# KiCad board mainboard.stretch_bkup.kicad_pcb (continued)
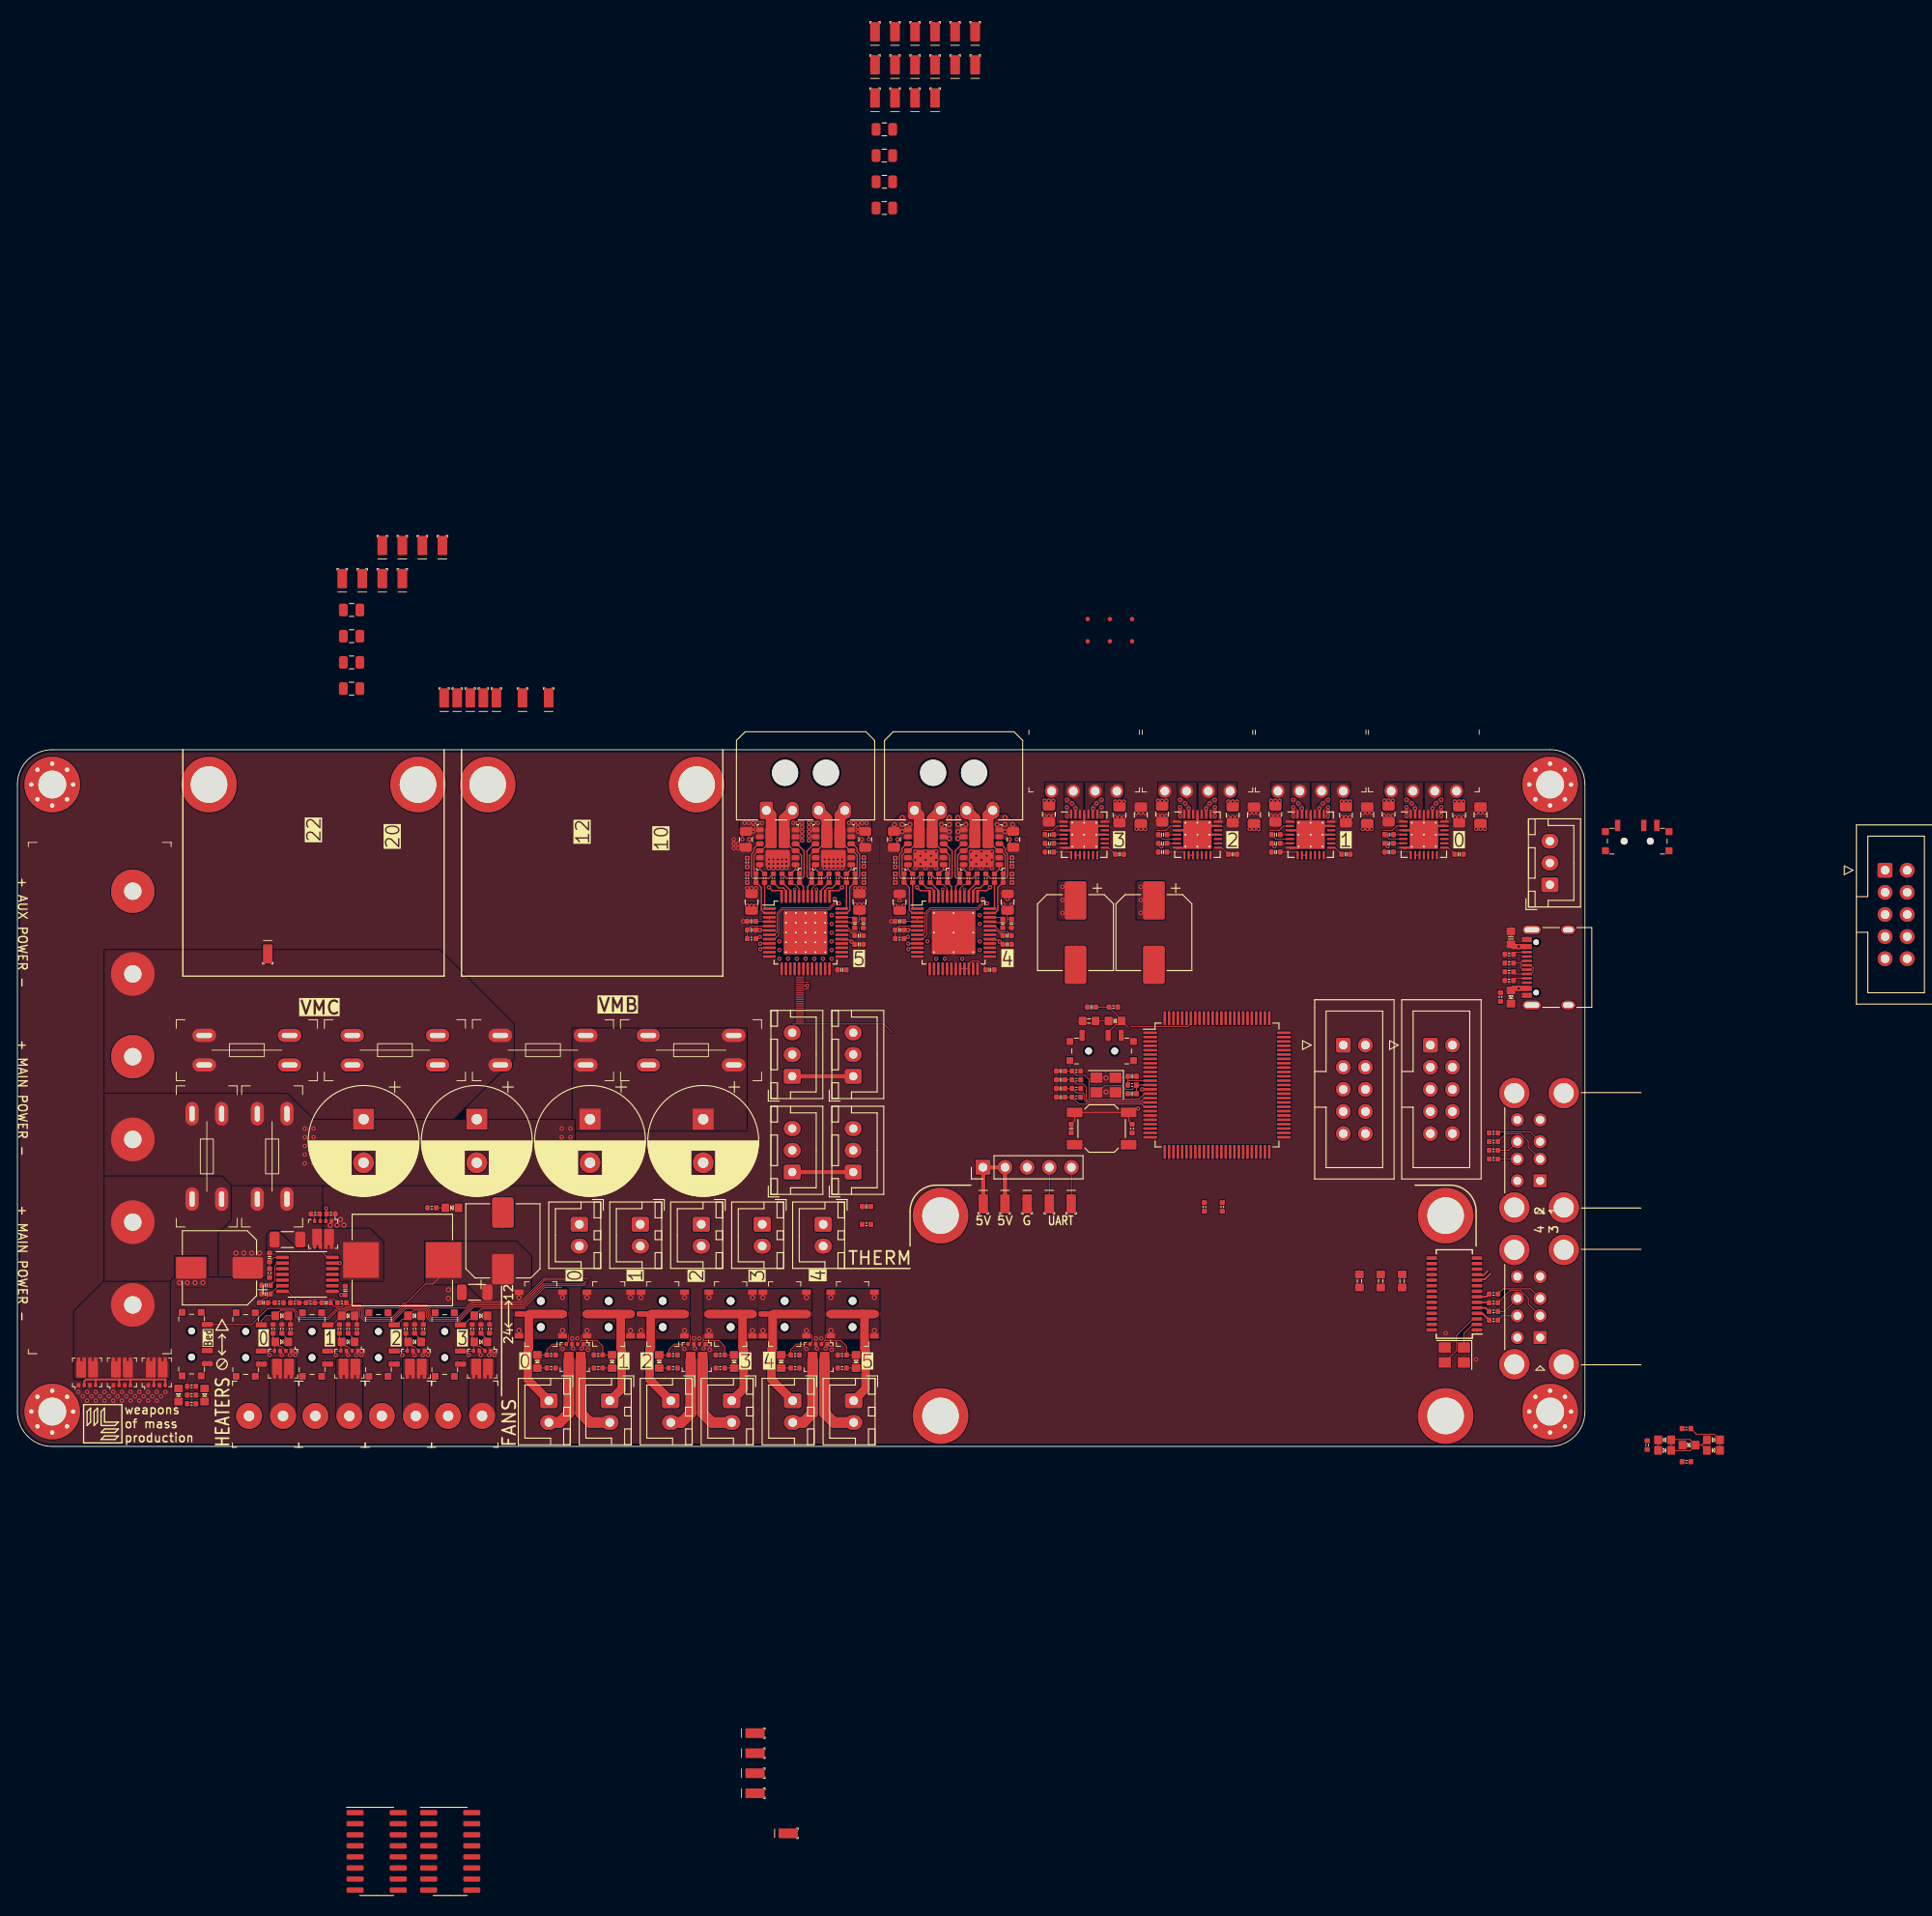
[diagram p0: board, top side]
## Nets (continued)
/Motor 1 (TMC2208)/BRB: R14.2 U3.27
/Motor 1 (TMC2208)/Clk: U3.13
/Motor 1 (TMC2208)/Diag: U3.11
/Motor 1 (TMC2208)/Dir: U3.19
/Motor 1 (TMC2208)/Index: U3.12
/Motor 1 (TMC2208)/Step: U3.16
/Motor 1 (TMC2208)/UART: U3.14
/Motor 1 (TMC2208)/VRef: U3.17
/Motor 2 (TMC2208)/A1: M3.2 U4.24
/Motor 2 (TMC2208)/A2: M3.1 U4.21
/Motor 2 (TMC2208)/B1: M3.3 U4.26
/Motor 2 (TMC2208)/B2: M3.4 U4.1
/Motor 2 (TMC2208)/BRA: R15.2 U4.23
/Motor 2 (TMC2208)/BRB: R16.2 U4.27
/Motor 2 (TMC2208)/Clk: U4.13
/Motor 2 (TMC2208)/Diag: U4.11
/Motor 2 (TMC2208)/Dir: U4.19
/Motor 2 (TMC2208)/Index: U4.12
/Motor 2 (TMC2208)/Step: U4.16
/Motor 2 (TMC2208)/UART: U4.14
/Motor 2 (TMC2208)/VRef: U4.17
/Motor 3 (TMC2208)/A1: M4.2 U5.24
/Motor 3 (TMC2208)/A2: M4.1 U5.21
/Motor 3 (TMC2208)/B1: M4.3 U5.26
/Motor 3 (TMC2208)/B2: M4.4 U5.1
/Motor 3 (TMC2208)/BRA: R17.2 U5.23
/Motor 3 (TMC2208)/BRB: R18.2 U5.27
/Motor 3 (TMC2208)/Clk: U5.13
/Motor 3 (TMC2208)/Diag: U5.11
/Motor 3 (TMC2208)/Dir: U5.19
/Motor 3 (TMC2208)/Index: U5.12
/Motor 3 (TMC2208)/Step: U5.16
/Motor 3 (TMC2208)/UART: U5.14
/Motor 3 (TMC2208)/VRef: U5.17
/Motor 4 (TMCx160)/CA1: C40.1 U6.42
/Motor 4 (TMCx160)/CA2: C42.2 U6.35
/Motor 4 (TMCx160)/CB1: C41.1 U6.2
/Motor 4 (TMCx160)/CB2: C43.2 U6.43
/Motor 4 (TMCx160)/Clk: U6.12
/Motor 4 (TMCx160)/Diag0: U6.26
/Motor 4 (TMCx160)/Diag1: U6.27
/Motor 4 (TMCx160)/ENCA: U6.24
/Motor 4 (TMCx160)/ENCB: U6.23
/Motor 4 (TMCx160)/ENCN: U6.25
/Motor 4 (TMCx160)/HA1: R25.1 U6.41
/Motor 4 (TMCx160)/HA2: R20.1 U6.36
/Motor 4 (TMCx160)/HB1: R32.1 U6.1
/Motor 4 (TMCx160)/HB2: R27.1 U6.44
/Motor 4 (TMCx160)/LA1: R26.1 U6.39
/Motor 4 (TMCx160)/LA2: R21.1 U6.38
/Motor 4 (TMCx160)/LB1: R33.1 U6.47
/Motor 4 (TMCx160)/LB2: R28.1 U6.46
/Motor 4 (TMCx160)/Motor_A1: C40.2 M5.3 QA1.10 QA1.P3 U6.40
/Motor 4 (TMCx160)/Motor_A2: C42.1 M5.4 QA1.3 QA1.P2 U6.37
/Motor 4 (TMCx160)/Motor_B1: C41.2 M5.1 QB1.10 QB1.P3 U6.48
/Motor 4 (TMCx160)/Motor_B2: C43.1 M5.2 QB1.3 QB1.P2 U6.45
/Motor 4 (TMCx160)/SRAH: R22.2 U6.8
/Motor 4 (TMCx160)/SRAL: R23.2 U6.7
/Motor 4 (TMCx160)/SRBH: R29.2 U6.9
/Motor 4 (TMCx160)/SRBL: R30.2 U6.10
/Motor 4 (TMCx160)/~{CS}: U6.13
/Motor 4 (TMCx160)/~{En}: U6.28
/Motor 5 (TMCx160)/CA1: C52.1 U7.42
/Motor 5 (TMCx160)/CA2: C54.2 U7.35
/Motor 5 (TMCx160)/CB1: C53.1 U7.2
/Motor 5 (TMCx160)/CB2: C55.2 U7.43
/Motor 5 (TMCx160)/Clk: U7.12
/Motor 5 (TMCx160)/Diag0: U7.26
/Motor 5 (TMCx160)/Diag1: U7.27
/Motor 5 (TMCx160)/ENCA: U7.24
/Motor 5 (TMCx160)/ENCB: U7.23
/Motor 5 (TMCx160)/ENCN: U7.25
/Motor 5 (TMCx160)/HA1: R40.1 U7.41
/Motor 5 (TMCx160)/HA2: R35.1 U7.36
/Motor 5 (TMCx160)/HB1: R47.1 U7.1
/Motor 5 (TMCx160)/HB2: R42.1 U7.44
/Motor 5 (TMCx160)/LA1: R41.1 U7.39
/Motor 5 (TMCx160)/LA2: R36.1 U7.38
/Motor 5 (TMCx160)/LB1: R48.1 U7.47
/Motor 5 (TMCx160)/LB2: R43.1 U7.46
/Motor 5 (TMCx160)/Motor_A1: C52.2 M6.3 QA2.10 QA2.P3 U7.40
/Motor 5 (TMCx160)/Motor_A2: C54.1 M6.4 QA2.3 QA2.P2 U7.37
/Motor 5 (TMCx160)/Motor_B1: C53.2 M6.1 QB2.10 QB2.P3 U7.48
/Motor 5 (TMCx160)/Motor_B2: C55.1 M6.2 QB2.3 QB2.P2 U7.45
/Motor 5 (TMCx160)/SRAH: R37.2 U7.8
/Motor 5 (TMCx160)/SRAL: R38.2 U7.7
/Motor 5 (TMCx160)/SRBH: R44.2 U7.9
/Motor 5 (TMCx160)/SRBL: R45.2 U7.10
/Motor 5 (TMCx160)/~{CS}: U7.13
/Motor 5 (TMCx160)/~{En}: U7.28
/Motor Expansion 1x/_{M0}~{CS}: T9.1
/Motor Expansion 1x/_{M0}~{EN}: T13.1
/Motor Expansion 1x/_{M2}~{CS}: T32.1
/Motor Expansion 1x/_{M2}~{EN}: T29.1
/Motor Expansion 2x/_{M0}~{CS}: T41.1
/Motor Expansion 2x/_{M0}~{EN}: T50.1
/Motor Expansion 2x/_{M2}~{CS}: T42.1
/Motor Expansion 2x/_{M2}~{EN}: T49.1
/Pi Zero + USB Hub/D1+: R78.2 U10.11
/Pi Zero + USB Hub/D1-: R79.2 U10.10
/Pi Zero + USB Hub/D2+: R80.2 U10.9
/Pi Zero + USB Hub/D2-: R81.2 U10.8
/Pi Zero + USB Hub/D3+: R82.2 U10.7
/Pi Zero + USB Hub/D3-: R83.2 U10.6
/Pi Zero + USB Hub/D4+: R84.2 U10.5
/Pi Zero + USB Hub/D4-: R85.2 U10.4
/Pi Zero + USB Hub/DU+: R86.2 T23.1
/Pi Zero + USB Hub/DU-: R87.2 T24.1
/SClk_{1}: T4.1 T36.1 U1.30 U6.14 U7.14
/Th_{0}: C67.2 J23.1 R101.1 U1.15
/Th_{1}: C75.2 J25.1 R102.1 U1.16
/Th_{2}: C76.2 J26.1 R103.1 U1.17
/Th_{3}: C79.2 J27.1 R104.1 U1.18
/Th_{4}: C80.2 J28.1 R105.1
/USART_{1}_RX: J2.4 T19.1 U1.69
/USART_{1}_TX: J2.5 T20.1 U1.68
/USB_D+: R5.1 U1.71
/USB_D-: R4.1 U1.70
/~{Reset}: C4.2 R2.1 SW2.2 U1.14
VMB: C27.1 C33.1 C34.2 C39.1 C44.1 C45.1 C46.2 C51.1 C56.1 C57.1 F2.2 F3.2 QA1.2 QA1.11 QA1.P1 QA2.2 QA2.11 QA2.P1 QB1.2 QB1.11 QB1.P1 QB2.2 QB2.11 QB2.P1 U6.33 U7.33
VMC: C7.1 C9.1 C58.1 C59.1 C60.1 C61.1 C62.1 C63.1 C64.1 C65.1 F4.2 F5.2 H5.1 H9.1
Net-(C71-Pad1): C71.1 R97.2
Net-(C73-Pad2): C73.2 R98.1
Net-(D1-K): D1.1 R6.2
Net-(D2-K): D2.1 R49.1
Net-(D3-K): D3.1 R53.1
Net-(D4-K): D4.1 R55.1
Net-(D5-K): D5.1 R57.1
Net-(D6-K): D6.1 R59.1
Net-(D7-K): D7.1 R61.1
Net-(D8-A): D8.2 Q5.2 Q5.4 R52.1 SW10.2
Net-(D8-K): D8.1 R50.1
Net-(D9-A): D9.2 Q4.2 Q4.4 R64.1 SW11.2
Net-(D9-K): D9.1 R63.1
Net-(D10-A): D10.2 Q6.2 Q6.4 R66.1 SW12.2
Net-(D10-K): D10.1 R65.1
Net-(D11-K): D11.1 R67.1
Net-(D12-K): D12.1 R69.1
Net-(D13-K): D13.1 R70.1
Net-(D14-K): D14.1 R71.1
Net-(D15-K): D15.1 R72.1
Net-(D16-A): D16.2 Q7.2 Q7.4 R73.1 SW1.2
Net-(D16-K): D16.1 R68.1
Net-(D17-A): D17.2 D19.1 D20.2 D21.1 D22.2 U10.22
Net-(D17-K): D17.1 D19.2 R9.1
Net-(D18-K): D18.1 R76.1
Net-(D20-K): D20.1 D21.2 R74.1
Net-(D22-K): D22.1 R10.2
Net-(D23-K): D23.1 R90.2
Net-(D24-K): D24.1 R96.2
Net-(J1-CC1): J1.A5 R7.2
Net-(J1-CC2): J1.B5 R8.2
Net-(J1-D+-PadA6): J1.A6 J1.B6 R5.2
Net-(J1-D--PadA7): J1.A7 J1.B7 R4.2
Net-(J7-Pin_1): J7.1 SW5.2
Net-(J7-Pin_2): J7.2 Q2.5 Q2.6
Net-(J8-Pin_1): J8.1 SW3.2
Net-(J8-Pin_2): J8.2 Q1.5 Q1.6
Net-(J9-Pin_4): F1.1 F2.1 F4.1 F6.2 J9.4
Net-(J12-Pin_1): J12.1 SW7.2
Net-(J12-Pin_2): J12.2 Q3.5 Q3.6
Net-(J13-D1+): J13.3 R78.1
Net-(J13-D1-): J13.2 R79.1
Net-(J13-D2+): J13.7 R80.1
Net-(J13-D2-): J13.6 R81.1
Net-(J14-Pin_1): J14.1 SW6.2
Net-(J14-Pin_2): J14.2 Q2.7 Q2.8
Net-(J15-Pin_1): J15.1 SW4.2
Net-(J15-Pin_2): J15.2 Q1.7 Q1.8
Net-(J16-Pin_1): J16.1 SW8.2
Net-(J16-Pin_2): J16.2 Q3.7 Q3.8
Net-(J17-Pin_2): J17.2 Q5.5 Q5.6 Q5.7 Q5.8
Net-(J18-Pin_2): J18.2 Q4.5 Q4.6 Q4.7 Q4.8
Net-(J19-Pin_2): J19.2 Q6.5 Q6.6 Q6.7 Q6.8
Net-(J20-Pin_2): J20.2 Q7.5 Q7.6 Q7.7 Q7.8
Net-(J21-D1+): J21.3 R82.1
Net-(J21-D1-): J21.2 R83.1
Net-(J21-D2+): J21.7 R84.1
Net-(J21-D2-): J21.6 R85.1
Net-(Q11A-G): Q11.2 R92.1 U11.9
Net-(Q11B-G): Q11.4 R91.1 U11.12
Net-(Q11B-S): C66.1 L1.1 Q11.3 Q11.7 Q11.8 R91.2 U11.11
Net-(QA1-G1): QA1.1 R20.2
Net-(QA1-G2): QA1.4 R21.2
Net-(QA1-G3): QA1.9 R26.2
Net-(QA1-G4): QA1.12 R25.2
Net-(QA1-S2-Pad5): QA1.5 QA1.6 QA1.7 QA1.8 R22.1 R24.1
Net-(QA2-G1): QA2.1 R35.2
Net-(QA2-G2): QA2.4 R36.2
Net-(QA2-G3): QA2.9 R41.2
Net-(QA2-G4): QA2.12 R40.2
Net-(QA2-S2-Pad5): QA2.5 QA2.6 QA2.7 QA2.8 R37.1 R39.1
Net-(QB1-G1): QB1.1 R27.2
Net-(QB1-G2): QB1.4 R28.2
Net-(QB1-G3): QB1.9 R33.2
Net-(QB1-G4): QB1.12 R32.2
Net-(QB1-S2-Pad5): QB1.5 QB1.6 QB1.7 QB1.8 R29.1 R31.1
Net-(QB2-G1): QB2.1 R42.2
Net-(QB2-G2): QB2.4 R43.2
Net-(QB2-G3): QB2.9 R48.2
Net-(QB2-G4): QB2.12 R47.2
Net-(QB2-S2-Pad5): QB2.5 QB2.6 QB2.7 QB2.8 R44.1 R46.1
Net-(U1-PH0): C2.2 R3.1 U1.12 Y1.1
Net-(U1-PH1): C3.2 R3.2 U1.13 Y1.3
Net-(U2-5VOut): C11.2 U2.8
Net-(U2-CPI): C13.2 U2.5
Net-(U2-CPO): C13.1 U2.4
Net-(U2-VCP): C12.1 U2.6
Net-(U3-5VOut): C17.2 U3.8
Net-(U3-CPI): C19.2 U3.5
Net-(U3-CPO): C19.1 U3.4
Net-(U3-VCP): C18.1 U3.6
Net-(U4-5VOut): C23.2 U4.8
Net-(U4-CPI): C25.2 U4.5
Net-(U4-CPO): C25.1 U4.4
Net-(U4-VCP): C24.1 U4.6
Net-(U5-5VOut): C29.2 U5.8
Net-(U5-CPI): C31.2 U5.5
Net-(U5-CPO): C31.1 U5.4
Net-(U5-VCP): C30.1 U5.6
Net-(U6-5VOUT): C37.2 R19.1 U6.5
Net-(U6-CPI): C35.1 U6.32
Net-(U6-CPO): C35.2 U6.31
Net-(U6-VCC): C38.2 R19.2 U6.29
Net-(U6-VCP): C34.1 U6.34
Net-(U7-5VOUT): C49.2 R34.1 U7.5
Net-(U7-CPI): C47.1 U7.32
Net-(U7-CPO): C47.2 U7.31
Net-(U7-VCC): C50.2 R34.2 U7.29
Net-(U7-VCP): C46.1 U7.34
Net-(U10-DMU): R87.1 U10.15
Net-(U10-DPU): R86.1 U10.16
Net-(U10-LED1): R9.2 U10.23
Net-(U10-LED2): R74.2 U10.24
Net-(U10-RExt): R75.1 U10.14
Net-(U10-XIn): U10.3 Y2.3
Net-(U10-XOut): U10.2 Y2.1
Net-(U10-XRstJ): R88.1 U10.17
Net-(U11-BSt): C66.2 U11.13
Net-(U11-Comp): C70.2 C71.2 U11.6
Net-(U11-En): C68.2 U11.2
Net-(U11-FB): R93.2 R94.1 R98.2 U11.7
Net-(U11-VRef): C69.2 R95.2 U11.1

Pads without a net: H1 1; H2 1; H3 1; H4 1; J1 A8 B8; J10 1 2 3 4 5 6 7 8 9 10; J11 1 2 3 4 5 6 7 8 9 10; J22 1 2 3 4 5 6 7 8 9 10; J24 1 2 3; SW13 1 2 3; U1 1 2 3 4 5 7 8 9 21 23 24 25 26 29 33 34 35 36 37 38 39 40 41 42 43 44 45 46 47 48 49 51 52 53 54 55 56 57 58 59 60 61 62 63 64 65 66 67 72 73 76 77 78 79 80 81 82 83 84 85 86 87 88 89 90 91 92 93 95 96 97 98; U8 1 3 5 7 9 11 13 14; U9 1 3 5 7 9 11 12 13 14; U10 12 13 20 25 27 28; U11 3 4 5 10

## Via types
v1: diameter 0.5, hole 0.25, Top to Bottom, 413 vias
v2: diameter 0.6, hole 0.3, Top to Bottom, 62 vias
v3: diameter 0.4, hole 0.25, Top to Bottom, 8 vias

## Routing (per net, layer and track width the routed paths; a pad name or vN(x,y) marks a point on that pad's centre or on a via; arc(x,y) is an arc through that point)
+3.3V: length 26.2
  Top w0.1: U2.10 U2.9 ; C16.1 151.3,68.75 U3.15 ; C28.1 125.3,68.75 U5.15 ; U3.10 U3.9 ; U6.20 U6.22 109.25,55.39 109.58,55.72 110.42,55.72 111.18,54.97 C15.2 ; C22.1 138.3,68.75 U4.15 ; U5.10 U5.9 ; U4.10 U4.9 ; U2.15 164.3,68.75 C10.1
  Top w0.5: J6.1 J5.1 ; J4.1 J3.1
+5V: length 12.1
  Top w0.5: T17.1 113.4,32.04 J2.2 J2.1 110.9,32.02 T16.1
+12V: length 20.9
  Top w0.1: L1.2 48.95,19.9 47.7,18.65 46.85,18.65 44.65,16.45 44.36,16.45 43.81,15.9 39.78,15.9 39.43,16.25 38,16.25 R93.1 37.3,16.05 36.4,16.05 C73.1 ; C48.2 86.29,60.3 U7.4 U7.3 ; U6.3 U6.4 103.29,60.3 C36.2
  vias: v2(57.6,17.1) v2(62.6,17.1) v2(65.4,17.1) v2(70.4,17.1) v2(71.6,17.1) v2(76.6,17.1) v2(79.4,17.1) v2(84.4,17.1) v2(85.6,17.1) v2(90.6,17.1) v2(93.4,17.1) v2(98.4,17.1)
+24V: length 4.1
  Top w0.1: v1(131.35,68.9) 131,69.25 C24.2 ; 34.78,22.92 34.9,22.8 34.9,22.4 35.6,21.7 U11.14 ; v1(157.35,68.91) 157,69.25 C12.2 ; v1(118.35,68.9) 118,69.25 C30.2 ; C18.2 144,69.25 v1(144.35,68.9)
  vias: v1(120,64.25) v1(120,62.75) v1(120,61.25) v1(120.5,73.4) v1(120.5,72.4) v1(124.5,73.4) v1(124.5,72.4) v1(128.5,70.9) v1(129,70.9) v1(129,64.25) v1(129,62.75) v1(129,61.25) v1(129.5,70.9) v1(129.5,70.89) v1(133.5,73.4) v1(133.5,72.9) v1(133.5,72.4) v1(137.5,73.4) v1(137.5,72.9) v1(137.5,72.4) v1(141.5,70.9) v1(142,70.9) v1(142.5,70.9) v1(142.5,70.89) v1(146.5,73.4) v1(146.5,72.9) v1(146.5,72.4) v1(150.5,73.4) v1(150.5,72.9) v1(150.5,72.4) v1(154.5,70.9) v1(155,70.9) v1(155.5,70.9) v1(159.5,73.4) v1(159.5,72.91) v1(159.5,72.41) v1(163.5,73.41) v1(163.5,72.91) v1(163.5,72.41) v1(167.5,70.91) v1(168,70.91) v1(168.5,70.91) v2(25.1,22.2) v2(26,22.2) v2(26.9,22.2) v2(27.8,22.2) v2(57.6,13.3) v2(62.6,13.3) v2(65.4,13.3) v2(70.4,13.3) v2(71.6,13.3) v2(76.6,13.3) v2(79.4,13.3) v2(84.4,13.3) v2(85.6,13.3) v2(90.6,13.3) v2(93.4,13.3) v2(98.4,13.3)
/VBUS: length 3.8
  Top w0.6: C5.1 171.75,57.4 v2(172.4,57.4) 173.3,57.4 ; D1.2 171.75,52.6 v2(172.4,52.6) 173.3,52.6
GND: length 49.8
  Top w0.1: U7.6 86.29,59.3 v1(85.25,59.3) C49.1 ; U6.6 103.29,59.3 v1(102.25,59.3) C37.1
  Top w0.15: v1(96.95,69.7) 96.95,69.21 97.38,68.79 ; v1(113.95,69.7) 113.95,69.21 114.38,68.79 ; R46.2 84.05,69.19 v1(84.05,69.7) ; v1(101.05,69.7) 101.05,69.19 R31.2
  Top w0.25: U5.20 123.5,71.25 U5.29 122,70.75 U5.3 ; U2.25 U2.29 ; U3.20 149.5,71.25 U3.29 148,70.75 U3.3 ; U2.20 162.5,71.25 U2.29 161,70.75 U2.3 ; U2.7 160,68.75 U2.29 ; U4.18 U4.29 ; U3.25 U3.29 ; U4.3 135,70.75 U4.29 136.5,71.25 U4.20 ; U3.29 147,68.75 U3.7 ; U5.29 121,68.75 U5.7 ; U4.25 U4.29 ; U2.18 U2.29 ; U4.7 134,68.75 U4.29 ; U5.18 U5.29 ; U5.25 U5.29 ; U3.18 U3.29
  In1.Cu w0.15: v1(101.05,69.7) 100.8,69.45 v3(100.8,67.55) ; v1(84.05,69.7) 83.8,69.45 v3(83.8,67.55) ; v1(114.2,67.6) 114.2,69.45 v1(113.95,69.7) ; v1(96.95,69.7) 97.2,69.45 v1(97.2,67.6)
  vias: v1(7,6.25) v1(7.5,5.75) v1(8,6.25) v1(8,5.25) v1(8.5,5.75) v1(9,6.25) v1(9,5.25) v1(9.5,5.75) v1(10,6.25) v1(10,5.25) v1(10.5,5.75) v1(11,6.25) v1(11,5.25) v1(11.5,5.75) v1(12,6.25) v1(12,5.25) v1(12.5,5.75) v1(13,6.25) v1(13,5.25) v1(13.5,5.75) v1(14,6.25) v1(14,5.25) v1(14.5,5.75) v1(15,6.25) v1(15,5.25) v1(15.5,5.75) v1(16,6.25) v1(16,5.25) v1(16.5,5.75) v1(17,6.25) v1(28.95,10.5) v1(30.35,10.5) v1(31.3,10.5) v1(31.9,11) v1(31.9,10.5) v1(36.57,10.5) v1(37.97,10.5) v1(38.92,10.5) v1(39.52,11) v1(39.52,10.5) v1(44.2,10.5) v1(45.6,10.5) v1(46.55,10.5) v1(47.15,11) v1(47.15,10.5) v1(51.81,10.5) v1(53.21,10.5) v1(54.16,10.5) v1(54.76,11) v1(54.76,10.5) v1(62.6,11.2) v1(63.7,12.4) v1(63.8,11.25) v1(64.3,12.4) v1(64.8,11.25) v1(65.4,11.7) v1(65.5,11.1) v1(76.6,11.2) v1(77.7,12.4) v1(77.8,11.25) v1(78.3,12.4) v1(78.8,11.25) v1(79.4,11.7) v1(79.5,11.1) v1(82.25,69.7) v1(82.25,69.2) v1(82.25,68.7) v1(82.75,69.2) v1(82.75,68.7) v1(83.35,60.3) v1(83.8,64.1) v1(84.3,64.1) v1(84.8,64.1) v1(90.6,11.2) v1(91.7,12.4) v1(91.8,11.25) v1(92.3,12.4) v1(92.8,11.25) v1(93.4,11.7) v1(93.5,11.1) v1(96.2,64.1) v1(96.7,64.1) v1(97.2,64.1) v1(100.35,60.3) v1(101.3,62.7) v1(113.7,62.85) v1(117.95,72.39) v1(118.45,72.39) v1(118.95,72.39) v1(126.05,72.25) v1(126.55,72.25) v1(127.05,72.25) v1(128.5,72.75) v1(129,72.75) v1(129.5,72.75) v1(129.5,72.75) v1(130.95,72.39) v1(131.45,72.39) v1(131.95,72.39) v1(139.05,72.25) v1(139.55,72.25) v1(140.05,72.25) v1(141.5,72.75) v1(142,72.75) v1(142.5,72.75) v1(142.5,72.75) v1(143.95,72.39) v1(144.45,72.39) v1(144.95,72.39) v1(152.05,72.25) v1(152.55,72.25) v1(153.05,72.25) v1(154.5,72.75) v1(155,72.75) v1(155.5,72.75) v1(156.95,72.4) v1(157.45,72.4) v1(157.95,72.4) v1(164,13) v1(165.05,72.25) v1(165.55,72.25) v1(166.05,72.25) v1(167.5,72.76) v1(167.5,10) v1(168,72.76) v1(168.5,72.76) v2(18.6,18.8) v2(19.5,18.8) v2(20.4,18.8) v2(21.3,18.8) v2(35.91,25.39) v2(36.7,25.4) v2(37.1,26.05) v2(37.5,25.4) v2(49.5,18) v2(49.5,17) v2(125,42.3) v2(125,40.7)
(no net): length 37.8
  Top w0.1: 89.4,49.3 90.3,49.3 ; 89.4,53.7 90.3,53.7 ; 89.4,48.9 90.3,48.9 ; 89.4,52.5 90.9,52.5 ; 89.4,49.5 90.3,49.5 ; 89.4,50.1 90.3,50.1 ; v1(90.7,52.9) 89.4,52.9 ; 89.4,53.9 90.3,53.9 ; 89.4,50.7 90.3,50.7 ; 89.4,49.9 90.3,49.9 ; 89.4,51.3 90.3,51.3 ; 89.4,50.5 90.3,50.5 ; 89.4,52.1 90.3,52.1 ; 89.4,50.9 90.3,50.9 ; 89.4,51.5 90.3,51.5 ; 89.4,50.3 90.3,50.3 ; 89.4,53.1 90.3,53.1 ; 89.4,51.7 90.3,51.7 ; 89.4,51.1 90.3,51.1 ; 89.4,49.7 90.3,49.7 ; 89.4,52.7 90.3,52.7 ; 89.4,48.7 90.3,48.7 ; 89.4,49.1 90.3,49.1 ; 89.4,53.5 90.3,53.5 ; 89.4,53.3 90.9,53.3 ; 100.5,47.5 99.5,48.5 88.97,48.5 ; 89.4,52.3 90.3,52.3 ; 89.4,51.9 90.3,51.9
/Bed_Gate: length 49.1
  Top w0.1: 38.1,16.05 38.2,16.05 ; 38.1,16.05 39.35,16.05 39.73,15.67 39.73,15.03 39.96,14.8 42.99,14.8 44.44,16.25 47.06,16.25 47.41,15.9 51.42,15.9 52.17,16.65 57.82,16.65 60.47,19.3 65.7,19.3 ; 38.1,16.05 37.71,16.05 37.51,15.85 36.67,15.85 35.62,14.8 32.3,14.8 32.1,15 32.1,15.48 31.73,15.85 28.76,15.85 26.91,14 SW9.1
/BG: length 13.2
  Top w0.25: 11.7,7.69 11.67,7.66 Q9.2 ; 11.7,7.69 9,7.69 ; 11.7,7.69 13,7.69 ; 9,7.69 7.89,7.69 7.67,7.47 Q8.2 ; 9,7.69 8.97,7.66 Q8.4 ; 15.7,7.69 17,7.69 16.97,7.66 Q10.4 ; 15.7,7.69 15.67,7.66 Q10.2 ; 15.7,7.69 13,7.69 ; 13,7.69 12.97,7.66 Q9.4
/BOOT0: length 15
  Top w0.1: C1.2 R1.1 126.8,49 D23.2 ; D23.2 126.4,48.45 126.15,48.45 125.25,47.55 SW14.2 ; D23.2 127.62,48.03 ; U1.94 134.75,48.56 134.42,48.22 127.78,48.22
/Fan0_Gate: length 5.4
  Top w0.1: D6.2 R60.1 60.8,11.1 61.44,11.74 Q1.4 63.25,11.97 63.25,12.85
/Fan1_Gate: length 6.1
  Top w0.1: Q1.2 64.75,12.17 ; 64.75,12.17 66.53,12.17 67.2,11.5 R54.1 D3.2 ; 64.75,12.17 64.75,12.85
/Fan2_Gate: length 5.4
  Top w0.1: D5.2 R58.1 74.8,11.1 75.44,11.74 Q2.4 77.25,11.97 77.25,12.85
/Fan3_Gate: length 6.1
  Top w0.1: 78.75,12.17 78.75,12.85 ; 78.75,12.17 Q2.2 ; 78.75,12.17 80.53,12.17 81.2,11.5 R51.1 D2.2
/Fan4_Gate: length 5.4
  Top w0.1: D7.2 R62.1 88.8,11.1 89.44,11.74 Q3.4 91.25,11.97 91.25,12.85
/Fan5_Gate: length 6.1
  Top w0.1: Q3.2 92.75,12.17 ; 92.75,12.17 92.75,12.85 ; 92.75,12.17 94.53,12.17 95.2,11.5 R56.1 D4.2
/HE0_Gate: length 42.9
  Top w0.1: 64.5,19.1 60.55,19.1 57.9,16.45 52.25,16.45 50.6,14.8 47.56,14.8 47.36,15 47.36,15.67 46.98,16.05 44.52,16.05 43.07,14.6 39.87,14.6 39.53,14.94 39.53,15.59 39.27,15.85 37.8,15.85 37.6,15.65 36.75,15.65 35.7,14.6 32.22,14.6 31.9,14.92 31.9,15.4 31.65,15.65 30.25,15.65 29.61,15.01 D14.2 28.56,15 28.01,14.45 SW11.1
/HE1_Gate: length 34.7
  Top w0.1: SW10.1 36.15,13.95 37.2,15 D13.2 37.88,15.65 39.18,15.65 39.33,15.5 39.33,14.86 39.79,14.4 43.16,14.4 44.61,15.85 46.9,15.85 47.16,15.59 47.16,14.88 47.44,14.6 50.68,14.6 52.33,16.25 57.98,16.25 60.38,18.65 64.97,18.65 65.22,18.9 65.38,18.9
/HE2_Gate: length 25.5
  Top w0.1: 65.3,18.7 65.05,18.45 60.47,18.45 58.07,16.05 52.42,16.05 50.77,14.4 47.36,14.4 46.96,14.8 46.96,15.5 46.81,15.65 45.51,15.65 D15.2 44.46,14.6 44.2,14.6 43.55,13.95 SW12.1
